# Altium PCB main - Copy.PcbDoc (part 13 of 14) (continued)
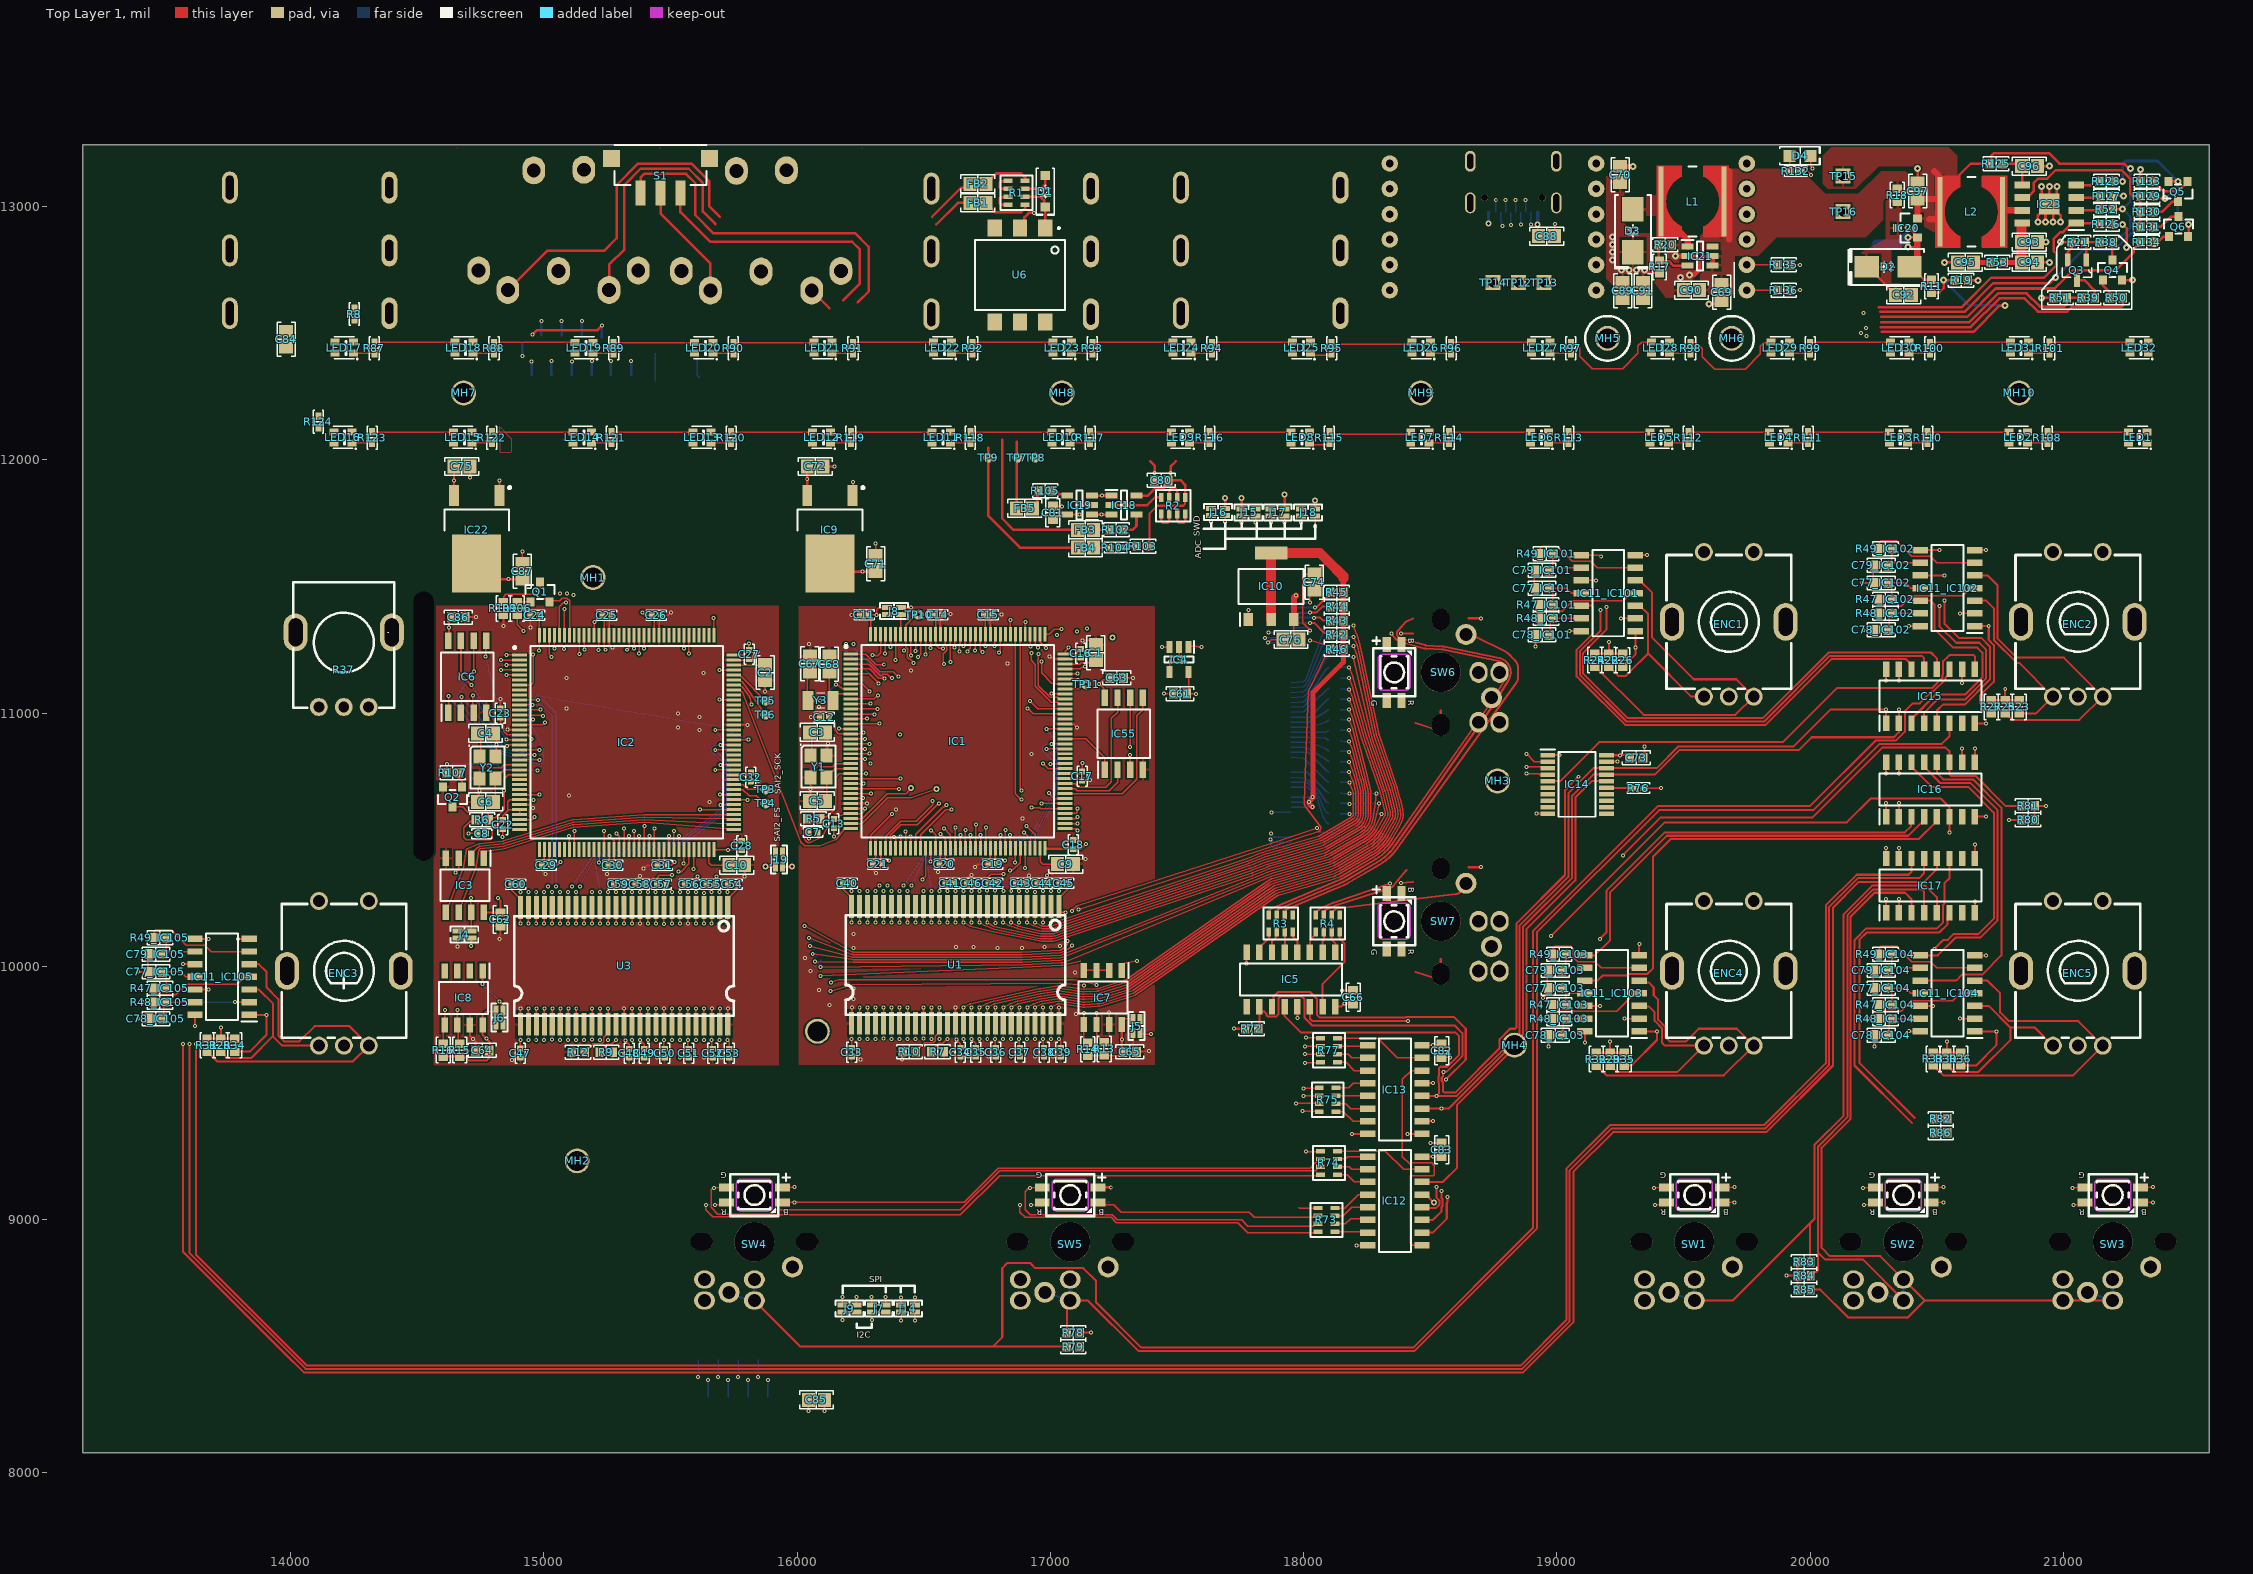
[diagram p0: Top Layer 1 view]
## Nets (pads, with @x,y where several pads share a name; then routed paths per layer and width w, separated by ;. In a path a pad name is that pad's centre, name@x,y a point inside that pad or via, vN(x,y) a via of type N, cw(c..) or ccw(c..) an arc to the next point about the centre after c; other vN are vias at no path point) (continued)
  Bottom 6+gnd w5: v1@16562.01,9713.75 U2.16@16562.01,9775.59
SPI1_MISO: IC1.124 IC2.124 | length 1725.5
  Top Layer 1 w5: v1@15375.96,11234.87 IC2.124@15375.97,11307.38 ; v1(16672.21,11243.72) 16672.21,11245 16684.21,11257 IC1.124@16684.21,11311.57
  Unused w5: v1(15375.95,11234.85) 15374.85,11234.85 15355.74,11215.74 15318.93,11215.74 15300,11234.68 15300,11277.96 15343.21,11321.17 16633.71,11321.17 16672.37,11282.5 16672.37,11243.88 v1(16672.21,11243.72)
SPI1_MOSI: IC1.123 IC2.123 | length 1802.5
  Top Layer 1 w5: IC2.123@15395.66,11307.38 15395.9,11307.15 15395.9,11255.5 v1(15396.13,11255.26) ; v1(16702.09,11247.2) 16702.99,11248.11 16702.99,11310.67 IC1.123@16703.9,11311.57
  Unused w5: v1(15396.13,11255.26) 15396.13,11232.05 15368.8,11204.72 15315.82,11204.72 15290,11230.53 15290,11282.1 15341.14,11333.24 16638.71,11333.24 16702.09,11269.86 v1(16702.09,11247.2)
SPI1_NSS: IC1.125 IC2.125 | length 1601.7
  Top Layer 1 w5: v1(15355.97,11254.61) 15356.13,11254.77 15356.13,11307.23 IC2.125@15356.29,11307.38 ; v1(16657,11264.49) 16657,11265.71 16664.53,11273.24 IC1.125@16664.53,11311.57
  Unused w5: v1(15355.97,11254.61) 15355.97,11240.61 15342.4,11227.04 15321.78,11227.04 15310,11238.82 15310,11273.82 15347.35,11311.17 16629.56,11311.17 16656.64,11284.09 16656.64,11264.85 v1(16657,11264.49)
SPI1_SCK: IC1.126 IC2.126 | length 1523.1
  Top Layer 1 w5: v1(15328.33,11250.26) 15336.6,11258.53 IC2.126@15336.6,11307.38 ; v1(16641.05,11244.02) 16640.18,11244.89 16640.18,11270.38 16644.84,11275.04 IC1.126@16644.84,11311.57
  Unused w5: v1(15328.33,11250.26) 15328.33,11274.69 15352.47,11298.82 16624.45,11298.82 16641.63,11281.64 16641.63,11244.6 v1(16641.05,11244.02)
SPI2_MISO: IC1.75 J14.2 | length 3119.6
  Top Layer 1 w5: J14.2@16410,8661.38 v1@16410,8693.12 ; IC1.75@17057.76,10583.7 17100.02,10583.7 17106.72,10590.4 v1(17108,10590.4)
  Unused w5: v1(16409.77,8693.35) 16353.4,8679.63 cw(c16349.77,8694.57) 16340.81,8682.08 16260.43,8739.72 cw(c16275,8760.03) 16258.05,8741.66 16251.61,8747.6 cw(c16255,8751.27) 16250,8751.27 16250,9300.53 15980,9570.53 15980,10197.29 16056.53,10273.82 16120.32,10273.82 16308.41,10461.91 16893.09,10461.91 17021.58,10590.4 v1(17108,10590.4)
SPI2_MISO_7: IC2.75 IC3.2 | length 1077.2
  Top Layer 1 w5: IC3.2@14713.33,10427.03 14723.63,10454.55 14738.02,10469.28 cw(c14750.54,10457.05) 14748.61,10474.44 14839.66,10484.76 ccw(c14836.76,10509.97) 14844.29,10485.74 15109.53,10568.15 cw(c15120.09,10534.39) 15117.62,10569.68 15395.1,10589.11 cw(c15397.57,10553.82) 15398.25,10589.19 15722.98,10582.92 IC2.75@15749.52,10579.51
SPI2_MOSI: IC1.76 J9.4 | length 3052.3
  Top Layer 1 w5: J9.4@16178.66,8662.72 v1@16178.66,8694.46 ; IC1.76@17057.76,10603.38 17059.88,10605.51 17101.31,10605.51 17105.94,10610.14 17105.94,10620.51 v1(17108,10622.57)
  Unused w5: v1(16178.43,8694.69) 16238.53,8754.82 ccw(c16235,8758.36) 16240,8758.36 16240,9296.39 15970,9566.39 15970,10201.43 16052.38,10283.82 16116.18,10283.82 16304.27,10471.91 16883.09,10471.91 17033.75,10622.57 v1(17108,10622.57)
SPI2_MOSI_7: IC2.76 IC3.5 | length 1336.2
  Top Layer 1 w5: IC3.5@14613.33,10213.49 14623.63,10241.01 14683.13,10394.32 ccw(c14676.13,10397.01) 14683.54,10395.87 14693.13,10458.22 cw(c14700.54,10457.05) 14697.54,10463.92 14739.54,10482.25 cw(c14750.54,10457.05) 14747.44,10484.38 14838.52,10494.7 ccw(c14836.76,10509.97) 14841.32,10495.29 15106.62,10577.72 cw(c15120.09,10534.39) 15116.92,10579.66 15394.36,10599.08 cw(c15397.57,10553.82) 15397.57,10599.2 15722.98,10599.2 IC2.76@15749.52,10599.2
SPI2_NSS: IC1.73 J14.4 | length 3085.5
  Top Layer 1 w5: J14.4@16465.12,8661.38 v1@16465.12,8693.12 ; IC1.73@17057.76,10544.33 17100.41,10544.33 17107.49,10537.25 v1(17108,10537.25)
  Unused w5: v1(16464.89,8693.35) 16273.44,8755.28 cw(c16275,8760.03) 16270,8760.03 16270,9308.82 16000,9578.82 16000,10189.01 16063.89,10252.9 16127.68,10252.9 16316.7,10441.91 16902.24,10441.91 16997.57,10537.25 v1(17108,10537.25)
SPI2_NSS_7: IC2.73 IC3.1 | length 1020.7
  Top Layer 1 w5: IC3.1@14763.33,10427.03 14773.63,10454.55 14843.53,10465.11 ccw(c14836.76,10509.97) 14850.22,10466.64 15115.43,10549.05 cw(c15120.09,10534.39) 15119.05,10549.73 15396.5,10569.16 cw(c15397.57,10553.82) 15398.78,10569.15 15722.98,10543.55 IC2.73@15749.52,10540.14
SPI2_SCK: IC1.74 J7.4 | length 3012.3
  Top Layer 1 w5: J7.4@16350,8662.6 v1@16350,8694.34 ; IC1.74@17057.76,10564.01 17057.91,10563.86 17107.84,10563.86 v1(17108,10563.7)
  Unused w5: v1(16349.77,8694.57) 16266.94,8747.38 cw(c16275,8760.03) 16264.42,8749.4 16261.45,8752.37 cw(c16265,8755.89) 16260,8755.89 16260,9304.68 15990,9574.68 15990,10193.15 16060.67,10263.82 16124.46,10263.82 16312.56,10451.91 16898.09,10451.91 17009.89,10563.7 v1(17108,10563.7)
SPI2_SCK_7: IC2.74 IC3.6 | length 1282.8
  Top Layer 1 w5: IC3.6@14663.33,10213.49 14673.63,10241.01 14733.13,10394.32 ccw(c14726.13,10397.01) 14733.54,10395.87 14743.13,10458.19 cw(c14750.54,10457.05) 14749.77,10464.51 14840.78,10474.83 ccw(c14836.76,10509.97) 14847.26,10476.19 15112.47,10558.6 cw(c15120.09,10534.39) 15118.31,10559.7 15395.75,10579.13 cw(c15397.57,10553.82) 15398.82,10579.17 15722.98,10563.23 IC2.74@15749.52,10559.83
SPI5_MISO: IC1.20 IC4.4 | length 1561.4
  Top Layer 1 w5: IC1.20@16212.32,10859.22 v1@16267.2,10859.22 ; IC4.4@17470.98,11162.52 17470.98,11203.36 v1(17472.21,11204.59)
  Unused w5: v1(16267.27,10859.14) 16349.88,10859.14 16369.25,10878.51 16882.03,10878.51 16888.55,10885.04 16890.36,10885.04 16967.67,10962.34 16996.26,10962.34 17060.74,10897.86 17152.33,10897.86 17301.29,11046.82 17301.29,11153.51 17352.36,11204.59 v1(17472.21,11204.59)
SPI5_MOSI: IC1.21 IC14.4 | length 3881.6
  Top Layer 1 w5: IC1.21@16212.26,10839.62 v1(16286.38,10839.64) ; v1(18880,10761.57) 18928.42,10761.57 18932.79,10757.2 IC14.4@18964.33,10757.2
  Unused w5: v1(16286.38,10839.64) 16344.53,10839.64 16373.4,10868.51 16886.17,10868.51 16892.69,10875.04 16894.5,10875.04 16971.81,10952.34 16992.11,10952.34 17056.59,10887.86 17159.65,10887.86 17311.29,11039.51 17311.29,11149.37 17351,11189.09 17519.35,11189.09 17535.79,11205.53 17535.79,11223.04 17850.69,11537.94 18660.88,11537.94 18800,11398.82 18800,11273.06 18887.48,11185.58 18887.48,11090.67 18812.13,11015.33 18812.13,10844.26 18864.63,10791.77 18864.63,10780.95 18880,10765.58 v1(18880,10761.57)
SPI5_NSS: IC1.18 IC14.2 | length 3840.1
  Top Layer 1 w5: IC1.18@16212.24,10898.66 16212.32,10898.59 16267.2,10898.59 v1(16267.27,10898.51) ; v1(18880,10838.82) 18910.43,10808.38 IC14.2@18964.33,10808.38
  Unused w5: v1(16267.27,10898.51) 16873.75,10898.51 16880.27,10905.04 16882.08,10905.04 16959.38,10982.34 17004.54,10982.34 17069.02,10917.86 17144.05,10917.86 17281.29,11055.11 17281.29,11161.8 17349.45,11229.96 17500.29,11229.96 17838.26,11567.94 18673.31,11567.94 18830,11411.25 18830,11285.48 18917.48,11198.01 18917.48,11078.24 18842.13,11002.9 18842.13,10856.68 18860,10838.82 v1(18880,10838.82)
SPI5_SCK: IC1.19 IC14.3 | length 3871.6
  Top Layer 1 w5: IC1.19@16212.26,10878.99 v1(16286.38,10879.01) ; v1(18880,10787.32) 18959.8,10787.32 IC14.3@18964.33,10782.79
  Unused w5: v1(16286.38,10879.01) 16325.9,10879.01 16335.4,10888.51 16877.89,10888.51 16884.41,10895.04 16886.22,10895.04 16963.52,10972.34 17000.4,10972.34 17064.88,10907.86 17148.19,10907.86 17291.29,11050.96 17291.29,11157.66 17353.59,11219.96 17478.58,11219.96 17499.46,11199.09 17515.21,11199.09 17525.79,11209.67 17525.79,11227.19 17846.55,11547.94 18665.02,11547.94 18810,11402.96 18810,11277.2 18897.48,11189.72 18897.48,11086.53 18822.13,11011.19 18822.13,10848.4 18880,10790.53 v1(18880,10787.32)
TE_2: H3.12
UART1_RX: IC1.122 IC2.102 | length 1359.8
  Top Layer 1 w5: IC2.102@15749.52,11111.01 15776.05,11107.6 15782.5,11103.6 cw(c15778.55,11097.23) 15784.65,11101.6 15812.49,11062.78 cw(c15800,11053.82) 15815.03,11057.03 v1(15820,11033.82) ; IC1.122@16723.58,11311.57 16723.58,11249.86 v1(16731.3,11242.15)
  Unused w5: v1(15820,11033.82) 15820,11240.67 15836.97,11257.63 15838.81,11257.63 15870,11288.82 16575,11288.82 16600,11263.82 16600,11258.4 16630.06,11228.34 16717.49,11228.34 v1(16731.3,11242.15)
UART1_TX: IC1.36 IC2.101 | length 899.1
  Top Layer 1 w5: IC2.101@15749.52,11091.32 15776.05,11087.92 15782.5,11083.92 cw(c15778.55,11077.54) 15785.55,11080.25 15805.66,11028.27 16014.29,10491.58 ccw(c16023.61,10495.21) 16016.54,10488.14 16025.26,10479.41 ccw(c16032.33,10486.49) 16032.33,10476.49 16087.67,10476.49 ccw(c16087.67,10486.49) 16091.15,10477.11 16150.58,10499.18 ccw(c16145.22,10513.6) 16157.4,10504.21 16185.71,10540.93 IC1.36@16212.24,10544.33
UART4_RX: IC1.35 IC18.2 R2.4 TP2.1 U6.4 | length 2176.1
  Top Layer 1 w5: IC1.35@16212.24,10564.01 16255.3,10564.01 16357.01,10665.72 16449.26,10665.72 ccw(c16449.26,10670.72) 16451.05,10666.06 cw(c16452.85,10661.39) 16451.23,10666.12 16552.09,10701.2
  Top Layer 1 w10: IC18.2@17241.57,11821.22 v3(17294.45,11821.22) 17382.4,11821.22 17413.46,11852.28 R2.4@17437.76,11852.28
  Layer 2 w5: v1(17145,11333.82) 17145,11349.64 17160,11364.64 17160,11434.14 17150,11444.14 17150,11800 17171.22,11821.22 v3(17294.45,11821.22)
  Layer 3 w5: TP2.1@16551.09,10701.2 16633.24,10701.2 16953.79,11021.75 16953.79,11040.89 16945.34,11049.33 16945.34,11057.98 16940,11063.32 16940,11138.82 17056.71,11255.53 17056.71,11264.57 17070.96,11278.82 17086.32,11278.82 17137.29,11329.79 17138.06,11329.79 17142.09,11333.82 v1(17145,11333.82)
UART4_TX: IC1.34 IC19.2 TP1.1 | length 1896
  Top Layer 1 w5: IC1.34@16212.24,10583.7 16257.84,10583.7 16266.97,10592.83 16356.34,10682.2 16429.74,10682.2 ccw(c16429.74,10687.2) 16433.59,10684.01 TP1.1@16449.48,10703.14
  Top Layer 1 w10: v1(17118.46,11821.98) 17119.22,11821.22 IC19.2@17165,11821.22
  Layer 2 w5: v1(17104.29,11323.07) 17150,11368.78 17150,11430 17140,11440 17140,11800.44 v1(17118.46,11821.98)
  Layer 3 w5: v3(16450.09,10705.2) 16518.61,10705.2 16520,10703.82 16526.39,10703.82 16543.09,10720.52 16568.3,10720.52 16575,10713.82 16631.72,10713.82 16943.79,11025.89 16943.79,11030.03 16935.34,11038.48 16935.34,11053.84 16928.76,11060.41 16928.76,11077.58 16930,11078.82 16930,11142.96 16980,11192.96 16980,11197.08 16980.37,11197.45 16980.37,11210.19 16980,11210.56 16980,11228.89 16997.82,11246.7 17011.99,11246.7 17015.77,11250.48 17028.34,11250.48 17066.67,11288.82 17075.86,11288.82 17089.05,11302.01 17089.05,11307.83 v1(17104.29,11323.07)
UDQM1_7: IC2.142 R12.2 U3.39 U4.39 | length 3013
  Top Layer 1 w5: IC2.142@15021.64,11307.32 15021.64,11232.6 15030.07,11224.17 v1(15030.07,11221.26) ; R12.2@15160.52,9659.63 15160.52,9661.6 15162.49,9661.6 15194.83,9693.94 15228.44,9693.94 15237.45,9702.94 15237.45,9720.14 15253.71,9736.4 15253.71,9771.4 v1@15253.71,9833.24
  Layer 3 w5: 14906.7,11090.76 14906.7,10533.22 cw(c14901.7,10533.23) 14906.69,10532.85 14906.63,10532.11 cw(c14891.67,10533.22) 14903.05,10523.44 14861.05,10474.26 ccw(c14895.27,10445.04) 14851.33,10454.74 14850.83,10452.49 ccw(c14875.25,10447.09) 14850.25,10447.16 14850.25,10444.98 14850.55,10444.62 cw(c14846.75,10441.38) 14851.75,10441.41 14851.75,9709.35 ccw(c14907.12,9709.43) 14907.08,9654.05 14938.38,9653.94 ccw(c14938.46,9673.94) 14938.46,9653.94 15064.6,9653.94 ; 14906.7,11090.81 14906.7,11105.49 14995.6,11194.39 15000.3,11194.39 15027.16,11221.26 v1(15030.07,11221.26) ; 15064.63,9653.94 15127.6,9654.1 ccw(c15127.48,9709.47) 15144.81,9656.88 15173.16,9666.21 ccw(c15158.97,9709.31) 15174.12,9666.54 15221.39,9683.27 ccw(c15213.4,9705.96) 15237.45,9705.74 15237.45,9801.12 15253.95,9817.63 v1(15253.95,9833.49) 15253.95,10145.68 ccw(c15248.95,10145.59) 15252.5,10149.12 15242.57,10159.1 cw(c15253.46,10169.94) 15241.94,10180.12 15252.7,10192.29 ccw(c15248.95,10195.6) 15253.95,10195.51 ; v1(15253.46,10294.12) 15253.95,10293.63 15253.95,10195.56
  Bottom 6+gnd w5: U4.39@15253.71,10232.03 v1@15253.71,10293.87
UDQM_6: IC1.142 R10.2 U1.39 U2.39 | length 4556.5
  Top Layer 1 w5: v1(16298.24,11229.33) 16298.74,11228.82 16308.66,11228.82 16311.16,11226.32 16318.59,11226.32 16329.88,11237.61 16329.88,11311.46 IC1.142@16329.94,11311.51 ; R10.2@16468.82,9663.82 16468.82,9665.79 16483.05,9680.02 16485.02,9680.02 16503.13,9698.13 16536.74,9698.13 16545.75,9707.13 16545.75,9724.33 16562.01,9740.59 U1.39@16562.01,9775.59 v1@16562.01,9837.43
  Layer 3 w5: 16158.55,10450.26 16160.05,9713.53 ; 16158.55,10450.28 16158.55,10470.68 cw(c16173.55,10470.68) 16158.55,10470.79 16158.57,10474.89 ; v1(16298.24,11229.33) 16212.11,11141.48 ccw(c16215.68,11137.98) 16210.68,11137.98 16210.68,10529.03 16160.01,10478.36 ; 16485.64,9657.93 16481.49,9657.93 16246.6,9658.13 16215.21,9658.24 ; 16485.69,9657.93 16494.52,9657.96 ; v1(16561.76,10298.31) 16546.39,10282.93 16546.39,10168.26 ; 16562.25,10148.25 v1(16562.25,9837.68) cw(c16557.25,9837.68) 16561.7,9835.38 16546.3,9805.53 ccw(c16550.75,9803.24) 16545.75,9803.24 16545.75,9707.13 16498.01,9659.4 ; 16158.57,10474.89 cw(c16163.57,10474.85) 16159.99,10478.34 ; 16158.57,10474.89 cw(c16163.57,10474.85) 16159.99,10478.34 ; 16158.57,10474.89 cw(c16163.57,10474.85) 16159.99,10478.34 ; 16158.57,10474.89 cw(c16163.57,10474.85) 16159.99,10478.34 ; 16158.57,10474.89 cw(c16163.57,10474.85) 16159.99,10478.34 ; 16158.57,10474.89 cw(c16163.57,10474.85) 16159.99,10478.34 ; 16158.57,10474.89 cw(c16163.57,10474.85) 16159.99,10478.34 ; 16158.57,10474.89 cw(c16163.57,10474.85) 16159.99,10478.34 ; 16158.57,10474.89 cw(c16163.57,10474.85) 16159.99,10478.34 ; 16158.57,10474.89 cw(c16163.57,10474.85) 16159.99,10478.34 ; 16158.57,10474.89 cw(c16163.57,10474.85) 16159.99,10478.34 ; 16158.57,10474.89 cw(c16163.57,10474.85) 16159.99,10478.34 ; 16158.57,10474.89 cw(c16163.57,10474.85) 16159.99,10478.34 ; 16158.57,10474.89 cw(c16163.57,10474.85) 16159.99,10478.34 ; 16158.57,10474.89 cw(c16163.57,10474.85) 16159.99,10478.34 ; 16158.57,10474.89 cw(c16163.57,10474.85) 16159.99,10478.34 ; 16160.05,9713.53 ccw(c16215.42,9713.62) 16215.21,9658.24 ; 16160.05,9713.53 ccw(c16215.42,9713.62) 16215.21,9658.24 ; 16160.05,9713.53 ccw(c16215.42,9713.62) 16215.21,9658.24 ; 16160.05,9713.53 ccw(c16215.42,9713.62) 16215.21,9658.24 ; 16160.05,9713.53 ccw(c16215.42,9713.62) 16215.21,9658.24 ; 16160.05,9713.53 ccw(c16215.42,9713.62) 16215.21,9658.24 ; 16160.05,9713.53 ccw(c16215.42,9713.62) 16215.21,9658.24 ; 16160.05,9713.53 ccw(c16215.42,9713.62) 16215.21,9658.24 ; 16160.05,9713.53 ccw(c16215.42,9713.62) 16215.21,9658.24 ; 16160.05,9713.53 ccw(c16215.42,9713.62) 16215.21,9658.24 ; 16160.05,9713.53 ccw(c16215.42,9713.62) 16215.21,9658.24 ; 16160.05,9713.53 ccw(c16215.42,9713.62) 16215.21,9658.24 ; 16160.05,9713.53 ccw(c16215.42,9713.62) 16215.21,9658.24 ; 16160.05,9713.53 ccw(c16215.42,9713.62) 16215.21,9658.24 ; 16160.05,9713.53 ccw(c16215.42,9713.62) 16215.21,9658.24 ; 16160.05,9713.53 ccw(c16215.42,9713.62) 16215.21,9658.24 ; 16494.52,9657.96 ccw(c16494.5,9662.96) 16497.99,9659.38 ; 16494.52,9657.96 ccw(c16494.5,9662.96) 16497.99,9659.38 ; 16494.52,9657.96 ccw(c16494.5,9662.96) 16497.99,9659.38 ; 16494.52,9657.96 ccw(c16494.5,9662.96) 16497.99,9659.38 ; 16494.52,9657.96 ccw(c16494.5,9662.96) 16497.99,9659.38 ; 16494.52,9657.96 ccw(c16494.5,9662.96) 16497.99,9659.38 ; 16494.52,9657.96 ccw(c16494.5,9662.96) 16497.99,9659.38 ; 16494.52,9657.96 ccw(c16494.5,9662.96) 16497.99,9659.38 ; 16494.52,9657.96 ccw(c16494.5,9662.96) 16497.99,9659.38 ; 16494.52,9657.96 ccw(c16494.5,9662.96) 16497.99,9659.38 ; 16494.52,9657.96 ccw(c16494.5,9662.96) 16497.99,9659.38 ; 16494.52,9657.96 ccw(c16494.5,9662.96) 16497.99,9659.38 ; 16494.52,9657.96 ccw(c16494.5,9662.96) 16497.99,9659.38 ; 16494.52,9657.96 ccw(c16494.5,9662.96) 16497.99,9659.38 ; 16494.52,9657.96 ccw(c16494.5,9662.96) 16497.99,9659.38 ; 16494.52,9657.96 ccw(c16494.5,9662.96) 16497.99,9659.38 ; 16546.39,10168.26 ccw(c16551.39,10168.26) 16547.86,10164.72 ; 16546.39,10168.26 ccw(c16551.39,10168.26) 16547.86,10164.72 ; 16546.39,10168.26 ccw(c16551.39,10168.26) 16547.86,10164.72 ; 16546.39,10168.26 ccw(c16551.39,10168.26) 16547.86,10164.72 ; 16546.39,10168.26 ccw(c16551.39,10168.26) 16547.86,10164.72 ; 16546.39,10168.26 ccw(c16551.39,10168.26) 16547.86,10164.72 ; 16546.39,10168.26 ccw(c16551.39,10168.26) 16547.86,10164.72 ; 16546.39,10168.26 ccw(c16551.39,10168.26) 16547.86,10164.72 ; 16546.39,10168.26 ccw(c16551.39,10168.26) 16547.86,10164.72 ; 16546.39,10168.26 ccw(c16551.39,10168.26) 16547.86,10164.72 ; 16546.39,10168.26 ccw(c16551.39,10168.26) 16547.86,10164.72 ; 16546.39,10168.26 ccw(c16551.39,10168.26) 16547.86,10164.72 ; 16546.39,10168.26 ccw(c16551.39,10168.26) 16547.86,10164.72 ; 16546.39,10168.26 ccw(c16551.39,10168.26) 16547.86,10164.72 ; 16546.39,10168.26 ccw(c16551.39,10168.26) 16547.86,10164.72 ; 16546.39,10168.26 ccw(c16551.39,10168.26) 16547.86,10164.71 ; 16547.86,10164.71 16560.79,10151.74 ; 16560.79,10151.74 cw(c16557.25,10148.21) 16562.25,10148.3 ; 16560.79,10151.74 cw(c16557.25,10148.21) 16562.25,10148.3 ; 16560.79,10151.74 cw(c16557.25,10148.21) 16562.25,10148.3 ; 16560.79,10151.74 cw(c16557.25,10148.21) 16562.25,10148.3 ; 16560.79,10151.74 cw(c16557.25,10148.21) 16562.25,10148.3 ; 16560.79,10151.74 cw(c16557.25,10148.21) 16562.25,10148.3 ; 16560.79,10151.74 cw(c16557.25,10148.21) 16562.25,10148.3 ; 16560.79,10151.74 cw(c16557.25,10148.21) 16562.25,10148.3 ; 16560.79,10151.74 cw(c16557.25,10148.21) 16562.25,10148.3 ; 16560.79,10151.74 cw(c16557.25,10148.21) 16562.25,10148.3 ; 16560.79,10151.74 cw(c16557.25,10148.21) 16562.25,10148.3 ; 16560.79,10151.74 cw(c16557.25,10148.21) 16562.25,10148.3 ; 16560.79,10151.74 cw(c16557.25,10148.21) 16562.25,10148.3 ; 16560.79,10151.74 cw(c16557.25,10148.21) 16562.25,10148.3 ; 16560.79,10151.74 cw(c16557.25,10148.21) 16562.25,10148.3 ; 16560.79,10151.74 cw(c16557.25,10148.21) 16562.25,10148.3
  Bottom 6+gnd w5: U2.39@16562.01,10236.22 v1@16562.01,10298.06
UI_MISO_1: IC4.2 R76.1 | length 2893.4
  Top Layer 1 w5: IC4.2@17508.39,11260.94 17508.39,11217.28 v1(17509.48,11216.18) ; R76.1@19345.28,10703.82 19410.59,10703.82 v1(19411.14,10704.37)
  Unused w5: v1(17509.48,11216.18) 17509.48,11219.09 17515.79,11225.4 17515.79,11231.33 17842.4,11557.94 18669.17,11557.94 18820,11407.1 18820,11281.34 18907.48,11193.86 18907.48,11082.39 18832.13,11007.04 18832.13,10852.54 18871.61,10813.07 18965.75,10813.07 19074.44,10704.37 v1(19411.14,10704.37)
USB_FS_DM: IC1.103 R136.1 | length 2877.7
  Top Layer 1 w5: IC1.103@17057.76,11134.88 17101.66,11134.88 17106.5,11130.04 v1(17108.15,11130.04) ; R136.1@19921.18,12670 v1(19960,12670)
  Layer 3 w5: v1(17108.15,11130.04) 17110.2,11132.1 17115.18,11132.1 17116.45,11133.37 17152.84,11133.37 17405,11385.53 17405,11385.83 17619.63,11600.46 19072.34,11600.46 19152.34,11680.46 19382.34,11680.46 19444.64,11742.76 19444.64,11938.82
USB_FS_DP: IC1.104 R135.1 | length 2853
  Top Layer 1 w5: IC1.104@17057.76,11154.57 17058.36,11155.17 17106.54,11155.17 v1(17107.14,11155.77) ; R135.1@19921.18,12770 v1(19960,12770)
  Layer 3 w5: v1(17107.14,11155.77) 17110.05,11155.77 17117.06,11148.76 17153.79,11148.76 17620.13,11615.1 19066.28,11615.1 19146.28,11695.1 19376.28,11695.1 19430,11748.82 19430,11938.82
USB_FS_SOF: IC1.100 | length 3110.3
  Top Layer 1 w5: v1(17004.46,11078.28) 17005.68,11077.05 17056.53,11077.05 IC1.100@17057.76,11075.83
  Layer 3 w5: v1(17004.46,11078.28) 17049.34,11123.16 17049.34,11133.86 17096.63,11181.15 17117.65,11181.15 17130.04,11168.76 17144.94,11168.76 17611.28,11635.1 19057.99,11635.1 19142.32,11719.43 19370.61,11719.43 19410,11758.82 19410,11923.82 19284.39,12049.43 19284.39,12058.82
USB_FS_VBUS: H2.4 IC1.101 TP11.1 | length 3133.3
  Top Layer 1 w5: IC1.101@17057.76,11095.51 17058.88,11096.64 17113.16,11096.64 17129.95,11113.43 17141.23,11113.43 v5(17141.46,11113.66) ; TP11.1@17136.46,11118.66 TP11.1@17136.46,11128.66
  Layer 3 w5: v5(17141.46,11113.66) 17140.45,11114.67 17101.78,11114.67 17091.77,11124.68 17091.77,11162.14 17100.77,11171.15 17113.51,11171.15 17125.89,11158.76 17149.65,11158.76 17615.99,11625.1 19062.14,11625.1 19145.86,11708.82 19375,11708.82 19420,11753.82 19420,11928.82 19295,12053.82 19295,12058.82
V_BAT: C97.2 IC20.2 L2.2 Q3.2 R21.2 R52.2 R125.2 TP15.1 | length 1766.8
  Top Layer 1 w10: 20548.98,13084.96 20634.02,13170 R125.2@20708.43,13170 20714.02,13175.59 20714.02,13200 20724.02,13210 20944.02,13210 20984.02,13170 21239.26,13170 21259.26,13150 v2(21264.02,13150) ; v2(20989.02,12860) 21031.57,12860 R21.2@21032.2,12859.37 21032.2,12835.67 21017.39,12820.85 Q3.2@21017.39,12789.37 ; R52.2@21195.2,12990 v2(21234.02,12990)
  Top Layer 1 w25: IC20.2@20423.39,12952.4 C97.2@20423.39,13029.37 ; C97.2@20424.02,13030 20503.33,13030 L2.2@20505.98,13027.34 ; 20470,12950 20500,12950 ; 20490,13140 20530,13100
  Bottom 6+gnd w10: v2(20989.02,12860) 21205.85,12860 21264.02,12918.16 21264.02,12960 v2(21234.02,12990) 21264.02,13020 v2(21264.02,13150)
V_USB: D2.1 H2.1 H2.2 H2.3 IC20.1 R11.2 TP12.1 | length 502.2
  Top Layer 1 w10: v2(20386.87,12840) 20421.33,12840 20422.81,12838.51 ; v2(20386.87,12918.02) 20413.32,12891.57 20413.32,12887.66 IC20.1@20423.22,12877.76 ; v2(20387.12,12878.56) 20387.33,12878.35 20422.2,12878.35 20422.97,12877.57 20423.16,12877.76 IC20.1@20423.22,12877.76 ; D2.1@20392.02,12762.1 20392.99,12762.1 20397.92,12762.1 20448.84,12711.18 R11.2@20479.02,12711.18 ; IC20.1@20423.39,12877.6 IC20.1@20423.22,12877.76
  Top Layer 1 w25: D2.1@20392.99,12762.1 20422.81,12791.92 20422.81,12838.51 IC20.1@20422.81,12877.03 ; IC20.1@20422.84,12878.09 IC20.1@20423.16,12877.76
  Bottom 6+gnd w10: v2@20379.02,12880 20380.46,12878.56 v2(20387.12,12878.56)
  Bottom 6+gnd w40: 20262.45,12850 20349.02,12850 v2@20379.02,12880
pads on no net: ENC1.MT1 ENC1.MT2 ENC2.MT1 ENC2.MT2 ENC3.MT1 ENC3.MT2 ENC4.MT1 ENC4.MT2 ENC5.MT1 ENC5.MT2 H3.4 H3.5 H3.6 H3.7 H3.17 H3.18 H3.35 H3.36 H3.37 H3.38 H3.39 H3.40 H3.MP1 IC1.6 IC1.87 IC1.88 IC1.92 IC1.95 IC1.110 IC1.117 IC1.143 IC2.6 IC2.8 IC2.9 IC2.26 IC2.27 IC2.28 IC2.35 IC2.36 IC2.37 IC2.40 IC2.41 IC2.42 IC2.45 IC2.46 IC2.47 IC2.48 IC2.69 IC2.70 IC2.87 IC2.88 IC2.92 IC2.95 IC2.96 IC2.97 IC2.98 IC2.100 IC2.110 IC2.111 IC2.112 IC2.113 IC2.116 IC2.117 IC2.118 IC2.119 IC2.122 IC2.127 IC2.128 IC2.129 IC2.134 IC2.137 IC2.143 IC5.9 IC8.2 IC8.3 IC8.4 IC14.6 IC14.7 IC14.8 IC14.9 IC14.11 IC14.12 IC14.13 IC14.14 IC15.7 IC16.7 IC17.7 IC17.10 IC21.6 J1.13 J1.14 J2.1 J2.2 J2.3 J2.4 J2.5 J2.6 J2.7 J2.8 J2.9 J2.10 J2.11 J2.12 J2.13 J2.14 J3.13 J3.14 J20. J20.S1 J20.S2 J20.S3 J20.S4 JK1.1 JK1.3 JK1.6 JK2.1 JK2.3 JK2.6 LED1.1 LED32.1 MH1.0 MH2.0 MH3.0 MH4.0 MH5.0 MH6.0 MH7.0 MH8.0 MH9.0 MH10.0 PJ1.3 PJ1.4 PJ1.5 PJ1.6 PJ1.7 PJ2.3 PJ2.5 PJ2.7 PJ3.3 PJ3.5 PJ3.7 R3.1 R4.1 R37.2 R37.MT1 R124.2 S1.M SW1. SW2. SW3. SW4. SW5. SW6. SW7. U1.36 U1.40 U2.36 U2.40 U3.36 U3.40 U4.36 U4.40 U6.3
copper on no net: | length 1171.1
  Top Layer 1 w5: 14903.84,10717.47 14904,10717.31 ; 15651.56,11307.38 15651.8,11307.62 ; 16959.8,11311.57 16959.8,11279.49 v1(16982.09,11257.2)
  Top Layer 1 w6: 15744.56,12109.16 16062.4,12109.16
  Top Layer 1 w25: 19410.79,13044.99 19410.79,12974.01 19469.03,12915.77 ; 19469.03,12909.99 19469.03,12915.77 ; 19516.38,12841.81 19516.38,12868.42 19469.03,12915.77 ; 19658.83,13044.99 19658.83,13082.34 19666.48,13089.99
  Layer 3 w5: 15360.77,9718.23 15364,9715 15364,9691.03 ; 15391.7,9729.63 15395.47,9725.86 15395.47,9703.04 15396.7,9701.81 15396.7,9689.63 ; 15551.7,9689.63 15552.91,9690.84 15552.91,9720.15 ; 15584.63,9726.7 15584.63,9715.77 15584.55,9715.68 15584.55,9691.78 15586.7,9689.63 ; 16669.07,9722.42 16672.3,9719.19 16672.3,9695.22 ; 16700,9733.82 16703.77,9730.05 16703.77,9707.23 16705,9706 16705,9693.82 ; 16860,9693.82 16861.21,9695.03 16861.21,9724.34 ; 16892.93,9730.89 16892.93,9719.96 16892.85,9719.87 16892.85,9695.97 16895,9693.82
  Bottom 6+gnd w5: 15440,12310 15440,12420 ; 15605.43,12420 15605.43,12334.57 15615,12325
  other v3: 16551.09,10701.2
  other v5: 16480,11388.82

## Polygon pours and split planes (outlines as drawn)
GND on Layer 3 "GND_L03_P027" (solid, remove dead copper, pour order 27): 16011.74,11974.96 17405,11974.96 17405,10163.93 16011.74,10163.93
no net on Layer 3 "NONET_L03_P013" (solid, remove dead copper, pour order 13): 16810,10940 16830.1,10919.9 16830.1,10764.74 16798.36,10732.99 16798.36,10710 16758.8,10711.29 16766.45,10741.02 16766.45,10896.45
no net on Layer 3 "NONET_L03_P012" (solid, remove dead copper, pour order 12): 16580,10860 16655,10860 16655,10747.12 16640.88,10732.99 16640.88,10718.95 16594.29,10718.95 16580,10733.23 16580,10750
V_USB on Layer 3 "NONET_L01_P-001" (solid, remove dead copper, pour order 63): 19930,12820 20409.02,12820 20409.02,12940 20025.71,12942.22 19753.78,13244.04 19700.92,13244.04 19700.92,12917.7 19799.74,12920.77
V_USB on Layer 3 "V_USB_L03_P037" (solid, remove dead copper, pour order 37): 19600,12590.65 19279.95,12926.21 19085.5,12926.21 18965.86,12768.73 18834.55,12768.16 18789.86,12767.96 18790.13,12440 20165,12440 20165,12590.65
GND on Layer 3 "GND_L03_P026" (solid, remove dead copper, pour order 26): 15933.81,11973.01 14566.25,11973.01 14566.25,10161.99 15933.81,10161.99
no net on Layer 3 "NONET_L03_P014" (solid, remove dead copper, pour order 14): 16858.98,10405 16908.98,10405 16908.98,10359.12 16908.22,10358.37 16908.22,10165.76 16908.98,10165 16843.98,10165 16843.98,10357.12 16861.09,10374.23 16858.98,10376.35
no net on Layer 3 "NONET_L03_P015" (solid, remove dead copper, pour order 15): 16672.11,10390.53 16670,10405 16720,10405 16720,10359.12 16719.24,10358.37 16719.24,10165.76 16720,10165 16655,10165 16655,10357.12 16672.11,10374.23 16670,10376.35
no net on Layer 3 "NONET_L03_P018" (solid, remove dead copper, pour order 18): 15363.81,10386.34 15361.7,10400.81 15411.7,10400.81 15411.7,10354.93 15410.94,10354.18 15410.94,10161.57 15411.7,10160.81 15346.7,10160.81 15346.7,10352.93 15363.81,10370.04 15361.7,10372.16
no net on Layer 3 "NONET_L03_P019" (solid, remove dead copper, pour order 19): 15550.68,10400.81 15600.68,10400.81 15600.68,10354.93 15599.92,10354.18 15599.92,10161.57 15600.68,10160.81 15535.68,10160.81 15535.68,10352.93 15552.79,10370.04 15550.68,10372.16
no net on Layer 3 "NONET_L03_P020" (solid, remove dead copper, pour order 20): 15271.7,10855.81 15346.7,10855.81 15346.7,10742.93 15332.58,10728.8 15332.58,10714.76 15285.99,10714.76 15271.7,10729.04 15271.7,10745.81
GND on Layer 3 "GND_L03_P021" (solid, remove dead copper, pour order 21): 15501.7,10935.81 15521.8,10915.71 15521.8,10760.55 15490.06,10728.8 15490.06,10705.81 15450.5,10707.1 15458.15,10736.83 15458.15,10892.26
+V_SYS on Top Layer 1 "+V_SYS_L01_P069" (solid, pour order 69): 20385.28,13045.28 20390,13050 20390,13125.04 20375.04,13140 20280,13140 20190,13050 20060,13050 19960.01,13149.99 19869.81,13149.99 19869.81,13059.81 19797.62,12987.62 19797.62,12879.74 20219.74,12879.74 20290,12950 20290,13020.47 20314.8,13045.28
V_BAT on Top Layer 1 "V_BAT_L01_P070" (solid, remove dead copper, pour order 70): 20070,13070 20180,13070 20270,13160 20419.58,13160 20440.78,13138.8 20423.39,13121.4 20423.39,12976.61 20450,12950 20450,12920 20580,12850 20511.38,12987.78 20579.74,13090 20580,13200 20540,13240 20090,13240 20050,13200 20050,13090